# KiCad board Combined.kicad_pcb
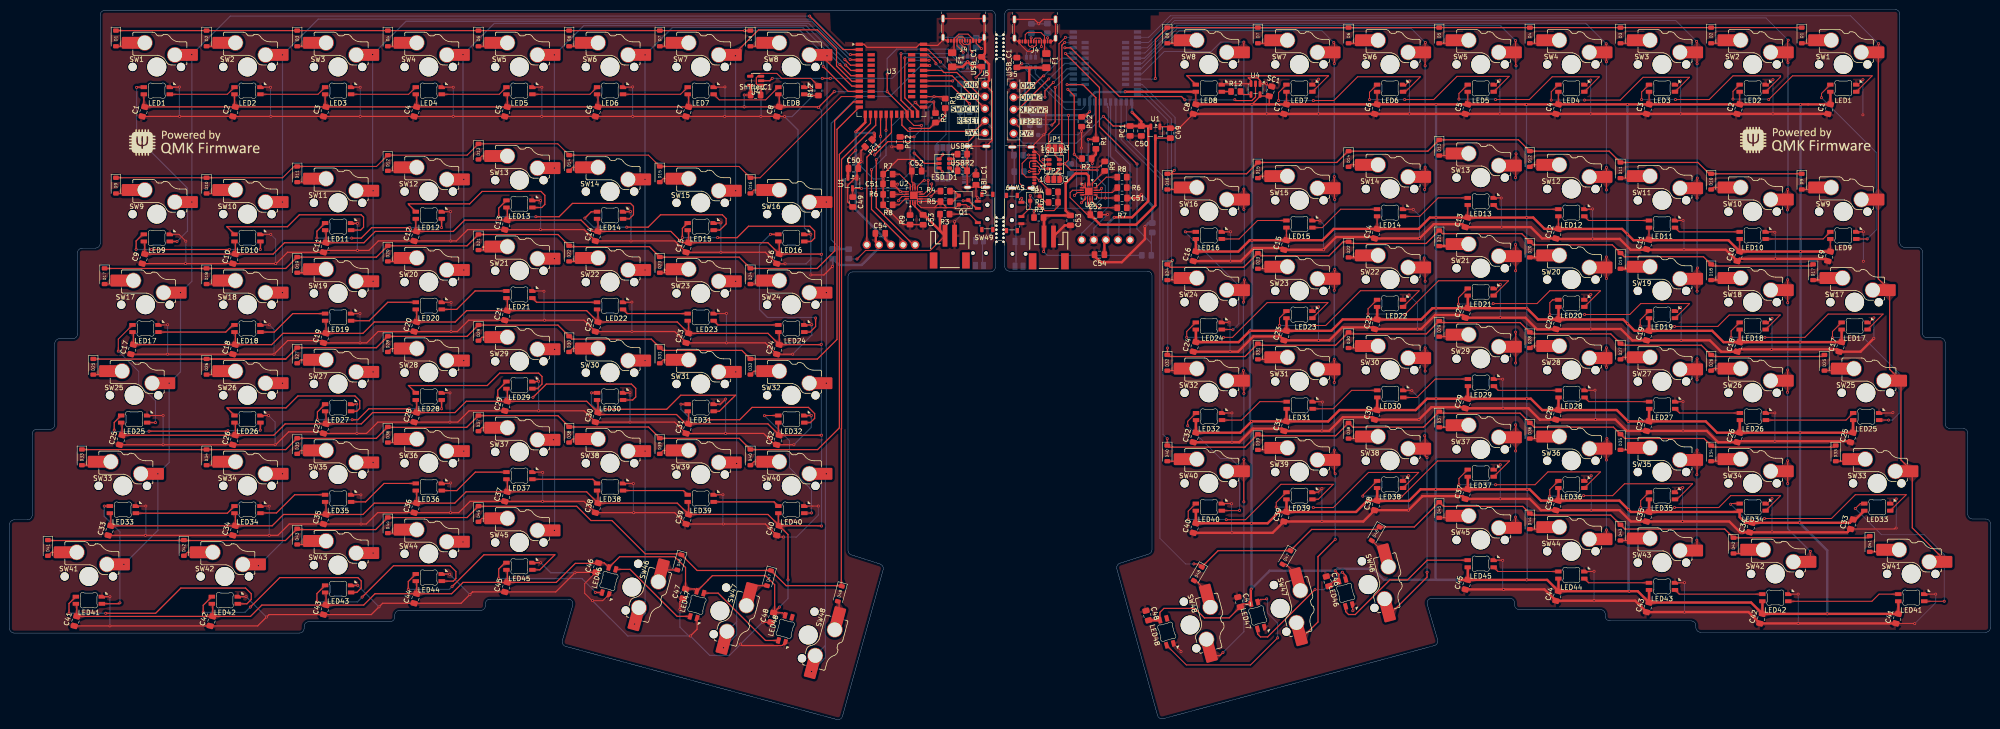
[diagram p0: board, top side]
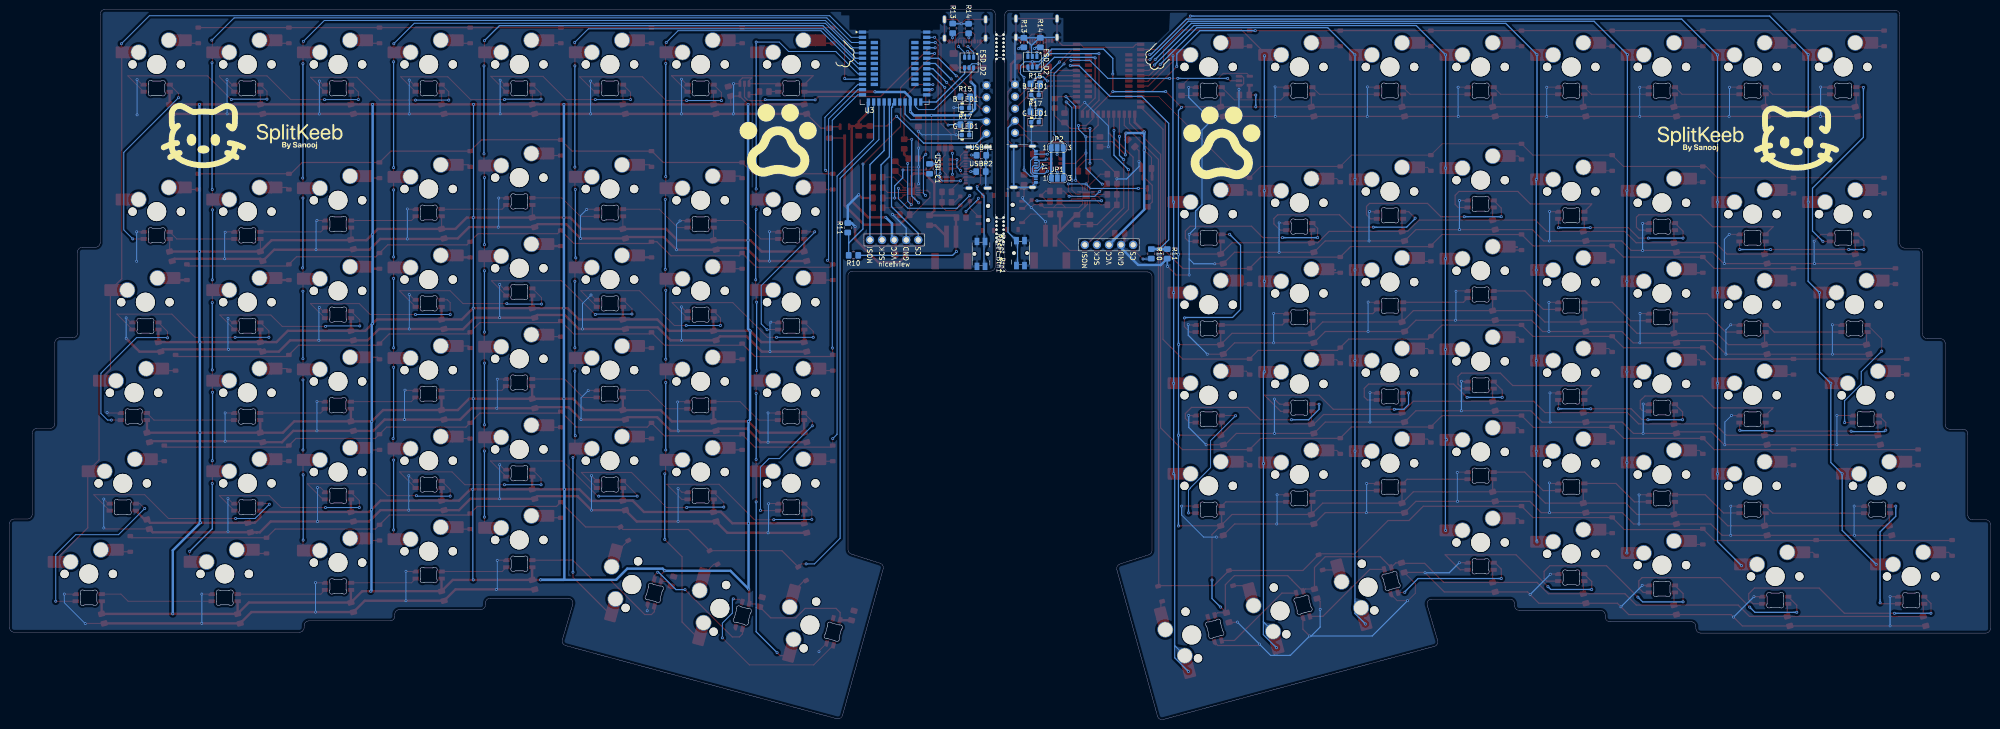
[diagram p1: board, bottom side, seen from below]

Outline 416.32 x 149.32 mm; copper layers: Top, Bottom. Coordinates in mm from the lower left corner of the outline.
Outline path: 207.15,106.27 207.16,138.23 ; 207.15,99.77 207.17,95.13 arc(206.88,94.42) 206.17,94.13 177.21,94.13 arc(176.51,93.84) 176.21,93.13 176.21,35.58 arc(176.4,34.99) 176.91,34.63 182.94,32.7 arc(183.51,32.23) 183.6,31.49 175.06,0.7 arc(174.59,0.1) 173.84,0 116.89,15.37 arc(116.28,15.83) 116.18,16.59 118.37,24.04 arc(118.21,24.92) 117.41,25.32 101.01,25.32 arc(100.31,25.03) 100.01,24.32 100.01,23.94 arc(99.72,23.24) 99.02,22.94 81.97,22.94 arc(81.26,22.65) 80.96,21.94 80.96,21.56 arc(80.67,20.85) 79.96,20.56 62.91,20.56 arc(62.21,20.27) 61.91,19.56 61.91,19.18 arc(61.62,18.48) 60.92,18.18 1,18.18 arc(0.3,18.47) 0,19.17 0,40.99 arc(0.29,41.69) 0.99,41.99 3.75,41.99 arc(4.47,42.28) 4.76,42.99 4.76,60.04 arc(5.06,60.75) 5.76,61.04 8.53,61.04 arc(9.23,61.33) 9.53,62.04 9.53,79.09 arc(9.82,79.8) 10.53,80.09 13.29,80.09 arc(13.99,80.38) 14.29,81.09 14.29,98.14 arc(14.58,98.84) 15.28,99.14 18.04,99.14 arc(18.75,99.43) 19.05,100.14 19.05,148.15 arc(19.34,148.85) 20.05,149.15 206.17,149.15 arc(206.87,148.86) 207.17,148.16 207.16,144.73 ; 209.15,144.73 209.15,148.33 arc(209.45,149.03) 210.16,149.32 396.27,149.32 arc(396.98,149.03) 397.27,148.32 397.27,100.32 arc(397.57,99.6) 398.28,99.32 401.05,99.32 arc(401.75,99.02) 402.04,98.31 402.04,81.27 arc(402.33,80.56) 403.04,80.27 405.8,80.27 arc(406.51,79.97) 406.8,79.27 406.8,62.22 arc(407.09,61.51) 407.8,61.22 410.56,61.22 arc(411.27,60.92) 411.56,60.22 411.56,43.17 arc(411.86,42.45) 412.57,42.17 415.33,42.17 arc(416.03,41.87) 416.32,41.16 416.32,19.34 arc(416.03,18.64) 415.32,18.35 355.4,18.35 arc(354.7,18.65) 354.41,19.35 354.41,19.73 arc(354.12,20.44) 353.41,20.73 336.36,20.73 arc(335.65,21.03) 335.36,21.73 335.36,22.12 arc(335.06,22.83) 334.35,23.12 317.3,23.12 arc(316.6,23.41) 316.31,24.12 316.31,24.5 arc(316.02,25.2) 315.31,25.5 298.91,25.5 arc(298.11,25.1) 297.95,24.21 300.14,16.76 arc(300.04,16.01) 299.44,15.55 242.49,0.17 arc(241.73,0.27) 241.26,0.87 232.72,31.66 arc(232.81,32.4) 233.38,32.88 239.41,34.8 arc(239.92,35.16) 240.11,35.76 240.11,93.3 arc(239.82,94.01) 239.11,94.3 210.15,94.3 arc(209.45,94.6) 209.15,95.3 209.15,99.77 ; 209.16,138.23 209.15,106.27

## Placement (name value [footprint] x y rotation side)
B_LED1  LED_0603_Blue  [LED_0603_1608Metric]  200.81 131.34 180 bottom
B_LED1#2  LED_0603_Blue  [LED_0603_1608Metric]  215.41 128.62 180 bottom
C1  0.1uF  [C_0805_2012Metric_Pad1.18x1.45mm_HandSolder]  382.41 128.37 75 top
C1#2  0.1uF  [C_0805_2012Metric_Pad1.18x1.45mm_HandSolder]  28.16 127.84 75 top
C2  0.1uF  [C_0805_2012Metric_Pad1.18x1.45mm_HandSolder]  363.36 128.37 75 top
C2#2  0.1uF  [C_0805_2012Metric_Pad1.18x1.45mm_HandSolder]  47.21 127.84 75 top
C3  0.1uF  [C_0805_2012Metric_Pad1.18x1.45mm_HandSolder]  66.26 127.84 75 top
C3#2  0.1uF  [C_0805_2012Metric_Pad1.18x1.45mm_HandSolder]  344.31 128.37 75 top
C4  0.1uF  [C_0805_2012Metric_Pad1.18x1.45mm_HandSolder]  85.31 127.84 75 top
C4#2  0.1uF  [C_0805_2012Metric_Pad1.18x1.45mm_HandSolder]  325.26 128.37 75 top
C5  0.1uF  [C_0805_2012Metric_Pad1.18x1.45mm_HandSolder]  306.21 128.37 75 top
C5#2  0.1uF  [C_0805_2012Metric_Pad1.18x1.45mm_HandSolder]  104.36 127.84 75 top
C6  0.1uF  [C_0805_2012Metric_Pad1.18x1.45mm_HandSolder]  123.41 127.84 75 top
C6#2  0.1uF  [C_0805_2012Metric_Pad1.18x1.45mm_HandSolder]  287.16 128.37 75 top
C7  0.1uF  [C_0805_2012Metric_Pad1.18x1.45mm_HandSolder]  142.46 127.84 75 top
C7#2  0.1uF  [C_0805_2012Metric_Pad1.18x1.45mm_HandSolder]  268.11 128.37 75 top
C8  0.1uF  [C_0805_2012Metric_Pad1.18x1.45mm_HandSolder]  161.51 127.84 75 top
C8#2  0.1uF  [C_0805_2012Metric_Pad1.18x1.45mm_HandSolder]  249.06 128.37 75 top
C9  0.1uF  [C_0805_2012Metric_Pad1.18x1.45mm_HandSolder]  382.41 97.41 75 top
C9#2  0.1uF  [C_0805_2012Metric_Pad1.18x1.45mm_HandSolder]  28.16 96.88 75 top
C10  0.1uF  [C_0805_2012Metric_Pad1.18x1.45mm_HandSolder]  47.21 96.88 75 top
C10#2  0.1uF  [C_0805_2012Metric_Pad1.18x1.45mm_HandSolder]  363.36 97.41 75 top
C11  0.1uF  [C_0805_2012Metric_Pad1.18x1.45mm_HandSolder]  66.26 99.27 75 top
C11#2  0.1uF  [C_0805_2012Metric_Pad1.18x1.45mm_HandSolder]  344.31 99.92 75 top
C12  0.1uF  [C_0805_2012Metric_Pad1.18x1.45mm_HandSolder]  85.31 101.65 75 top
C12#2  0.1uF  [C_0805_2012Metric_Pad1.18x1.45mm_HandSolder]  325.26 102.18 75 top
C13  0.1uF  [C_0805_2012Metric_Pad1.18x1.45mm_HandSolder]  104.36 104.03 75 top
C13#2  0.1uF  [C_0805_2012Metric_Pad1.18x1.45mm_HandSolder]  306.21 104.56 75 top
C14  0.1uF  [C_0805_2012Metric_Pad1.18x1.45mm_HandSolder]  287.16 102.18 75 top
C14#2  0.1uF  [C_0805_2012Metric_Pad1.18x1.45mm_HandSolder]  123.41 101.65 75 top
C15  0.1uF  [C_0805_2012Metric_Pad1.18x1.45mm_HandSolder]  268.11 99.8 75 top
C15#2  0.1uF  [C_0805_2012Metric_Pad1.18x1.45mm_HandSolder]  142.46 99.27 75 top
C16  0.1uF  [C_0805_2012Metric_Pad1.18x1.45mm_HandSolder]  161.51 96.88 75 top
C16#2  0.1uF  [C_0805_2012Metric_Pad1.18x1.45mm_HandSolder]  249.06 97.41 75 top
C17  0.1uF  [C_0805_2012Metric_Pad1.18x1.45mm_HandSolder]  25.78 77.83 75 top
C17#2  0.1uF  [C_0805_2012Metric_Pad1.18x1.45mm_HandSolder]  384.79 78.36 75 top
C18  0.1uF  [C_0805_2012Metric_Pad1.18x1.45mm_HandSolder]  47.21 77.83 75 top
C18#2  0.1uF  [C_0805_2012Metric_Pad1.18x1.45mm_HandSolder]  363.36 78.36 75 top
C19  0.1uF  [C_0805_2012Metric_Pad1.18x1.45mm_HandSolder]  344.31 80.75 75 top
C19#2  0.1uF  [C_0805_2012Metric_Pad1.18x1.45mm_HandSolder]  66.26 80.22 75 top
C20  0.1uF  [C_0805_2012Metric_Pad1.18x1.45mm_HandSolder]  85.31 82.6 75 top
C20#2  0.1uF  [C_0805_2012Metric_Pad1.18x1.45mm_HandSolder]  325.26 83.13 75 top
C21  0.1uF  [C_0805_2012Metric_Pad1.18x1.45mm_HandSolder]  306.21 85.51 75 top
C21#2  0.1uF  [C_0805_2012Metric_Pad1.18x1.45mm_HandSolder]  104.36 84.98 75 top
C22  0.1uF  [C_0805_2012Metric_Pad1.18x1.45mm_HandSolder]  287.16 83.13 75 top
C22#2  0.1uF  [C_0805_2012Metric_Pad1.18x1.45mm_HandSolder]  123.41 82.6 75 top
C23  0.1uF  [C_0805_2012Metric_Pad1.18x1.45mm_HandSolder]  142.46 80.22 75 top
C23#2  0.1uF  [C_0805_2012Metric_Pad1.18x1.45mm_HandSolder]  268.11 80.75 75 top
C24  0.1uF  [C_0805_2012Metric_Pad1.18x1.45mm_HandSolder]  249.06 78.36 75 top
C24#2  0.1uF  [C_0805_2012Metric_Pad1.18x1.45mm_HandSolder]  161.51 77.83 75 top
C25  0.1uF  [C_0805_2012Metric_Pad1.18x1.45mm_HandSolder]  387.17 59.31 75 top
C25#2  0.1uF  [C_0805_2012Metric_Pad1.18x1.45mm_HandSolder]  23.39 58.78 75 top
C26  0.1uF  [C_0805_2012Metric_Pad1.18x1.45mm_HandSolder]  363.36 59.31 75 top
C26#2  0.1uF  [C_0805_2012Metric_Pad1.18x1.45mm_HandSolder]  47.21 58.78 75 top
C27  0.1uF  [C_0805_2012Metric_Pad1.18x1.45mm_HandSolder]  66.26 61.17 75 top
C27#2  0.1uF  [C_0805_2012Metric_Pad1.18x1.45mm_HandSolder]  344.31 61.7 75 top
C28  0.1uF  [C_0805_2012Metric_Pad1.18x1.45mm_HandSolder]  85.31 63.55 75 top
C28#2  0.1uF  [C_0805_2012Metric_Pad1.18x1.45mm_HandSolder]  325.26 64.08 75 top
C29  0.1uF  [C_0805_2012Metric_Pad1.18x1.45mm_HandSolder]  306.21 66.46 75 top
C29#2  0.1uF  [C_0805_2012Metric_Pad1.18x1.45mm_HandSolder]  104.36 65.93 75 top
C30  0.1uF  [C_0805_2012Metric_Pad1.18x1.45mm_HandSolder]  287.16 64.08 75 top
C30#2  0.1uF  [C_0805_2012Metric_Pad1.18x1.45mm_HandSolder]  123.41 63.55 75 top
C31  0.1uF  [C_0805_2012Metric_Pad1.18x1.45mm_HandSolder]  268.11 61.7 75 top
C31#2  0.1uF  [C_0805_2012Metric_Pad1.18x1.45mm_HandSolder]  142.46 61.17 75 top
C32  0.1uF  [C_0805_2012Metric_Pad1.18x1.45mm_HandSolder]  161.51 58.78 75 top
C32#2  0.1uF  [C_0805_2012Metric_Pad1.18x1.45mm_HandSolder]  249.06 59.31 75 top
C33  0.1uF  [C_0805_2012Metric_Pad1.18x1.45mm_HandSolder]  387.21 41.07 75 top
C33#2  0.1uF  [C_0805_2012Metric_Pad1.18x1.45mm_HandSolder]  21.01 39.73 75 top
C34  0.1uF  [C_0805_2012Metric_Pad1.18x1.45mm_HandSolder]  365.96 40.37 75 top
C34#2  0.1uF  [C_0805_2012Metric_Pad1.18x1.45mm_HandSolder]  47.21 39.73 75 top
C35  0.1uF  [C_0805_2012Metric_Pad1.18x1.45mm_HandSolder]  344.31 42.65 75 top
C35#2  0.1uF  [C_0805_2012Metric_Pad1.18x1.45mm_HandSolder]  66.26 42.12 75 top
C36  0.1uF  [C_0805_2012Metric_Pad1.18x1.45mm_HandSolder]  325.26 45.03 75 top
C36#2  0.1uF  [C_0805_2012Metric_Pad1.18x1.45mm_HandSolder]  85.31 44.5 75 top
C37  0.1uF  [C_0805_2012Metric_Pad1.18x1.45mm_HandSolder]  104.36 46.88 75 top
C37#2  0.1uF  [C_0805_2012Metric_Pad1.18x1.45mm_HandSolder]  306.21 47.41 75 top
C38  0.1uF  [C_0805_2012Metric_Pad1.18x1.45mm_HandSolder]  287.16 45.03 75 top
C38#2  0.1uF  [C_0805_2012Metric_Pad1.18x1.45mm_HandSolder]  123.41 44.5 75 top
C39  0.1uF  [C_0805_2012Metric_Pad1.18x1.45mm_HandSolder]  142.46 42.12 75 top
C39#2  0.1uF  [C_0805_2012Metric_Pad1.18x1.45mm_HandSolder]  268.11 42.65 75 top
C40  0.1uF  [C_0805_2012Metric_Pad1.18x1.45mm_HandSolder]  161.51 39.73 75 top
C40#2  0.1uF  [C_0805_2012Metric_Pad1.18x1.45mm_HandSolder]  249.06 40.26 75 top
C41  0.1uF  [C_0805_2012Metric_Pad1.18x1.45mm_HandSolder]  396.7 21.21 75 top
C41#2  0.1uF  [C_0805_2012Metric_Pad1.18x1.45mm_HandSolder]  13.87 20.68 75 top
C42  0.1uF  [C_0805_2012Metric_Pad1.18x1.45mm_HandSolder]  42.44 20.68 75 top
C42#2  0.1uF  [C_0805_2012Metric_Pad1.18x1.45mm_HandSolder]  368.12 21.21 75 top
C43  0.1uF  [C_0805_2012Metric_Pad1.18x1.45mm_HandSolder]  66.26 23.07 75 top
C43#2  0.1uF  [C_0805_2012Metric_Pad1.18x1.45mm_HandSolder]  344.31 23.6 75 top
C44  0.1uF  [C_0805_2012Metric_Pad1.18x1.45mm_HandSolder]  85.31 25.45 75 top
C44#2  0.1uF  [C_0805_2012Metric_Pad1.18x1.45mm_HandSolder]  325.26 25.98 75 top
C45  0.1uF  [C_0805_2012Metric_Pad1.18x1.45mm_HandSolder]  306.21 28.36 75 top
C45#2  0.1uF  [C_0805_2012Metric_Pad1.18x1.45mm_HandSolder]  104.36 27.83 75 top
C46  0.1uF  [C_0805_2012Metric_Pad1.18x1.45mm_HandSolder]  277.01 29.07 285 top
C46#2  0.1uF  [C_0805_2012Metric_Pad1.18x1.45mm_HandSolder]  123.51 31.94 75 top
C47  0.1uF  [C_0805_2012Metric_Pad1.18x1.45mm_HandSolder]  258.41 24.72 285 top
C47#2  0.1uF  [C_0805_2012Metric_Pad1.18x1.45mm_HandSolder]  141.81 26.44 75 top
C48  0.1uF  [C_0805_2012Metric_Pad1.18x1.45mm_HandSolder]  160.31 21.44 75 top
C48#2  0.1uF  [C_0805_2012Metric_Pad1.18x1.45mm_HandSolder]  239.11 21.87 285 top
C49  1u  [C_0805_2012Metric_Pad1.18x1.45mm_HandSolder]  243.96 123.32 90 top
C49#2  1u  [C_0805_2012Metric_Pad1.18x1.45mm_HandSolder]  177.21 108.84 270 top
C50  1u  [C_0805_2012Metric_Pad1.18x1.45mm_HandSolder]  177.36 115.89 0 top
C50#2  1u  [C_0805_2012Metric_Pad1.18x1.45mm_HandSolder]  237.86 123.77 270 top
C51  4.7uF  [C_0805_2012Metric_Pad1.18x1.45mm_HandSolder]  184.61 112.64 180 top
C51#2  4.7uF  [C_0805_2012Metric_Pad1.18x1.45mm_HandSolder]  233.81 109.67 0 top
C52  4.7uF  [C_0805_2012Metric_Pad1.18x1.45mm_HandSolder]  228.16 106.17 0 top
C52#2  4.7uF  [C_0805_2012Metric_Pad1.18x1.45mm_HandSolder]  190.66 115.34 0 top
C53  4.7uF  [C_0805_2012Metric_Pad1.18x1.45mm_HandSolder]  192.01 105.09 270 top
C53#2  4.7uF  [C_0805_2012Metric_Pad1.18x1.45mm_HandSolder]  222.96 104.97 270 top
C54  0.1u  [C_0805_2012Metric_Pad1.18x1.45mm_HandSolder]  183.01 102.24 180 top
C54#2  0.1u  [C_0805_2012Metric_Pad1.18x1.45mm_HandSolder]  229.06 97.77 180 top
D1  D  [D_SOD-123]  22.36 143.24 270 top
D1#2  D  [D_SOD-123]  376.66 143.87 270 top
D2  D  [D_SOD-123]  41.41 143.24 270 top
D2#2  D  [D_SOD-123]  357.61 143.87 270 top
D3  D  [D_SOD-123]  60.46 143.24 270 top
D3#2  D  [D_SOD-123]  338.56 143.87 270 top
D4  D  [D_SOD-123]  79.51 143.24 270 top
D4#2  D  [D_SOD-123]  319.51 143.87 270 top
D5  D  [D_SOD-123]  98.56 143.24 270 top
D5#2  D  [D_SOD-123]  300.46 143.87 270 top
D6  D  [D_SOD-123]  281.41 143.87 270 top
D6#2  D  [D_SOD-123]  117.61 143.24 270 top
D7  D  [D_SOD-123]  262.36 143.87 270 top
D7#2  D  [D_SOD-123]  136.66 143.24 270 top
D8  D  [D_SOD-123]  155.71 143.24 270 top
D8#2  D  [D_SOD-123]  243.31 143.87 270 top
D9  D  [D_SOD-123]  376.66 113.12 270 top
D9#2  D  [D_SOD-123]  22.36 112.28 270 top
D10  D  [D_SOD-123]  357.61 113.12 270 top
D10#2  D  [D_SOD-123]  41.41 112.28 270 top
D11  D  [D_SOD-123]  338.56 115.5 270 top
D11#2  D  [D_SOD-123]  60.46 114.67 270 top
D12  D  [D_SOD-123]  319.51 117.88 270 top
D12#2  D  [D_SOD-123]  79.51 117.05 270 top
D13  D  [D_SOD-123]  98.56 119.43 270 top
D13#2  D  [D_SOD-123]  300.46 120.26 270 top
D14  D  [D_SOD-123]  281.41 117.88 270 top
D14#2  D  [D_SOD-123]  117.61 117.05 270 top
D15  D  [D_SOD-123]  136.66 114.67 270 top
D15#2  D  [D_SOD-123]  262.36 115.5 270 top
D16  D  [D_SOD-123]  155.71 112.28 270 top
D16#2  D  [D_SOD-123]  243.31 113.12 270 top
D17  D  [D_SOD-123]  19.97 93.23 270 top
D17#2  D  [D_SOD-123]  379.04 94.07 270 top
D18  D  [D_SOD-123]  41.41 93.23 270 top
D18#2  D  [D_SOD-123]  357.61 94.07 270 top
D19  D  [D_SOD-123]  60.46 95.62 270 top
D19#2  D  [D_SOD-123]  338.56 96.45 270 top
D20  D  [D_SOD-123]  319.51 98.83 270 top
D20#2  D  [D_SOD-123]  79.51 98 270 top
D21  D  [D_SOD-123]  98.56 100.38 270 top
D21#2  D  [D_SOD-123]  300.46 101.21 270 top
D22  D  [D_SOD-123]  117.61 98 270 top
D22#2  D  [D_SOD-123]  281.41 98.83 270 top
D23  D  [D_SOD-123]  136.66 95.62 270 top
D23#2  D  [D_SOD-123]  262.36 96.45 270 top
D24  D  [D_SOD-123]  155.71 93.23 270 top
D24#2  D  [D_SOD-123]  243.31 94.07 270 top
D25  D  [D_SOD-123]  381.42 75.02 270 top
D25#2  D  [D_SOD-123]  17.59 74.18 270 top
D26  D  [D_SOD-123]  41.41 74.18 270 top
D26#2  D  [D_SOD-123]  357.61 75.02 270 top
D27  D  [D_SOD-123]  60.46 76.57 270 top
D27#2  D  [D_SOD-123]  338.56 77.4 270 top
D28  D  [D_SOD-123]  319.51 79.78 270 top
D28#2  D  [D_SOD-123]  79.51 78.95 270 top
D29  D  [D_SOD-123]  300.46 82.16 270 top
D29#2  D  [D_SOD-123]  98.56 81.33 270 top
D30  D  [D_SOD-123]  281.41 79.78 270 top
D30#2  D  [D_SOD-123]  117.61 78.95 270 top
D31  D  [D_SOD-123]  136.66 76.57 270 top
D31#2  D  [D_SOD-123]  262.36 77.4 270 top
D32  D  [D_SOD-123]  155.71 74.18 270 top
D32#2  D  [D_SOD-123]  243.31 75.02 270 top
D33  D  [D_SOD-123]  383.8 55.97 270 top
D33#2  D  [D_SOD-123]  15.21 55.13 270 top
D34  D  [D_SOD-123]  357.61 55.97 270 top
D34#2  D  [D_SOD-123]  41.41 55.13 270 top
D35  D  [D_SOD-123]  338.56 58.35 270 top
D35#2  D  [D_SOD-123]  60.46 57.52 270 top
D36  D  [D_SOD-123]  79.51 59.9 270 top
D36#2  D  [D_SOD-123]  319.51 60.73 270 top
D37  D  [D_SOD-123]  300.46 63.11 270 top
D37#2  D  [D_SOD-123]  98.56 62.28 270 top
D38  D  [D_SOD-123]  281.41 60.73 270 top
D38#2  D  [D_SOD-123]  117.61 59.9 270 top
D39  D  [D_SOD-123]  136.66 57.52 270 top
D39#2  D  [D_SOD-123]  262.36 58.35 270 top
D40  D  [D_SOD-123]  155.71 55.13 270 top
D40#2  D  [D_SOD-123]  243.31 55.97 270 top
D41  D  [D_SOD-123]  8.07 36.08 270 top
D41#2  D  [D_SOD-123]  390.95 36.92 270 top
D42  D  [D_SOD-123]  36.64 36.08 270 top
D42#2  D  [D_SOD-123]  362.31 36.57 270 top
D43  D  [D_SOD-123]  60.46 38.47 270 top
D43#2  D  [D_SOD-123]  338.56 39.3 270 top
D44  D  [D_SOD-123]  79.51 40.85 270 top
D44#2  D  [D_SOD-123]  319.51 41.68 270 top
D45  D  [D_SOD-123]  300.46 44.06 270 top
D45#2  D  [D_SOD-123]  98.56 43.23 270 top
D46  D  [D_SOD-123]  287.11 39.07 240 top
D46#2  D  [D_SOD-123]  140.78 33.05 255 top
D47  D  [D_SOD-123]  159.61 29.74 255 top
D47#2  D  [D_SOD-123]  268.36 34.07 240 top
D48  D  [D_SOD-123]  174.51 26.44 255 top
D48#2  D  [D_SOD-123]  249.74 30.64 240 top
ESD_D1  USBLC6-2SC6  [SOT-23-6]  219.56 116.79 0 top
ESD_D1#2  USBLC6-2SC6  [SOT-23-6]  196.46 116.95 180 top
ESD_D2  USBLC6-2SC6  [SOT-23-6#2]  214.66 138.17 270 bottom
ESD_D2#2  USBLC6-2SC6  [SOT-23-6#2]  201.36 138.34 270 bottom
F1  750mA  [Fuse_1206_3216Metric_Pad1.42x1.75mm_HandSolder]  217.91 138.57 270 top
F1#2  750mA  [Fuse_1206_3216Metric_Pad1.42x1.75mm_HandSolder]  198.11 138.74 270 top
G***  -  [LOGO]  377.45 121.9 0 top
G***#2  -  [LOGO]  38.89 121.37 0 top
G***#3  -  [LOGO]  375.59 123.22 180 bottom
G***#4  -  [LOGO]  355.39 123.12 180 bottom
G***#5  -  [LOGO]  60.96 122.59 180 bottom
G***#6  -  [LOGO]  161.56 121.44 180 bottom
G***#7  -  [LOGO]  40.76 122.69 180 bottom
G***#8  -  [LOGO]  254.79 121.97 180 bottom
G_LED1  LED_0603_Green  [LED_0603_1608Metric]  200.81 125.64 180 bottom
G_LED1#2  LED_0603_Green  [LED_0603_1608Metric]  215.41 122.92 180 bottom
J1  USB_C_Receptacle_USB2.0_16P  [USB_C_Receptacle_HRO_TYPE-C-31-M-23]  212.96 116.09 270 top
J1#2  USB_C_Receptacle_USB2.0_16P  [USB_C_Receptacle_HRO_TYPE-C-31-M-23]  203.06 116.25 270 bottom
J3  JST_2mm_LiPo  [JST_1x02_P2.0mm_Horizontal_SMD]  218.41 97.87 180 top
J3#2  JST_2mm_LiPo  [JST_1x02_P2.0mm_Horizontal_SMD]  197.61 98.04 180 top
J4  USB_C_Receptacle_USB2.0_16P  [USB_C_Receptacle_HRO_TYPE-C-31-M-23]  200.5 145.19 180 top
J4#2  USB_C_Receptacle_USB2.0_16P  [USB_C_Receptacle_HRO_TYPE-C-31-M-23]  215.51 145.02 180 top
J5  DEV_HEADERS  [PinHeader_01x05_P2.54mm_Vertical_THT_D1mm]  205.01 133.55 0 top
J5#2  DEV_HEADERS  [PinHeader_01x05_P2.54mm_Vertical_THT_D1mm]  211.01 133.38 0 top
JP1  SolderJumper  [SolderJumper-3_P1.3mm_Open_RoundedPad1.0x1.5mm_NumberLabels]  219.71 120.22 0 top
JP1#2  SolderJumper  [SolderJumper-3_P1.3mm_Open_RoundedPad1.0x1.5mm_NumberLabels]  196.11 113.85 180 bottom
JP2  SolderJumper  [SolderJumper-3_P1.3mm_Open_RoundedPad1.0x1.5mm_NumberLabels]  219.46 113.57 0 top
JP2#2  SolderJumper  [SolderJumper-3_P1.3mm_Open_RoundedPad1.0x1.5mm_NumberLabels]  196.16 120.25 180 bottom
LED1  MX_SK6812MINI-E  [LED_MX_6028R-ROT]  30.96 132.24 0 top
LED1#2  MX_SK6812MINI-E  [LED_MX_6028R-ROT]  385.39 132.77 0 top
LED2  MX_SK6812MINI-E  [LED_MX_6028R-ROT]  366.34 132.77 0 top
LED2#2  MX_SK6812MINI-E  [LED_MX_6028R-ROT]  50.01 132.24 0 top
LED3  MX_SK6812MINI-E  [LED_MX_6028R-ROT]  69.06 132.24 0 top
LED3#2  MX_SK6812MINI-E  [LED_MX_6028R-ROT]  347.29 132.77 0 top
LED4  MX_SK6812MINI-E  [LED_MX_6028R-ROT]  88.11 132.24 0 top
LED4#2  MX_SK6812MINI-E  [LED_MX_6028R-ROT]  328.24 132.77 0 top
LED5  MX_SK6812MINI-E  [LED_MX_6028R-ROT]  309.19 132.77 0 top
LED5#2  MX_SK6812MINI-E  [LED_MX_6028R-ROT]  107.16 132.24 0 top
LED6  MX_SK6812MINI-E  [LED_MX_6028R-ROT]  126.21 132.24 0 top
LED6#2  MX_SK6812MINI-E  [LED_MX_6028R-ROT]  290.14 132.77 0 top
LED7  MX_SK6812MINI-E  [LED_MX_6028R-ROT]  145.26 132.24 0 top
LED7#2  MX_SK6812MINI-E  [LED_MX_6028R-ROT]  271.09 132.77 0 top
LED8  MX_SK6812MINI-E  [LED_MX_6028R-ROT]  164.31 132.24 0 top
LED8#2  MX_SK6812MINI-E  [LED_MX_6028R-ROT]  252.04 132.77 0 top
LED9  MX_SK6812MINI-E  [LED_MX_6028R-ROT]  30.96 101.28 0 top
LED9#2  MX_SK6812MINI-E  [LED_MX_6028R-ROT]  385.39 101.81 0 top
LED10  MX_SK6812MINI-E  [LED_MX_6028R-ROT]  50.01 101.28 0 top
LED10#2  MX_SK6812MINI-E  [LED_MX_6028R-ROT]  366.34 101.81 0 top
LED11  MX_SK6812MINI-E  [LED_MX_6028R-ROT]  69.06 103.67 0 top
LED11#2  MX_SK6812MINI-E  [LED_MX_6028R-ROT]  347.29 104.2 0 top
LED12  MX_SK6812MINI-E  [LED_MX_6028R-ROT]  88.11 106.05 0 top
LED12#2  MX_SK6812MINI-E  [LED_MX_6028R-ROT]  328.24 106.58 0 top
LED13  MX_SK6812MINI-E  [LED_MX_6028R-ROT]  107.16 108.43 0 top
LED13#2  MX_SK6812MINI-E  [LED_MX_6028R-ROT]  309.19 108.96 0 top
LED14  MX_SK6812MINI-E  [LED_MX_6028R-ROT]  126.21 106.05 0 top
LED14#2  MX_SK6812MINI-E  [LED_MX_6028R-ROT]  290.14 106.58 0 top
LED15  MX_SK6812MINI-E  [LED_MX_6028R-ROT]  145.26 103.67 0 top
LED15#2  MX_SK6812MINI-E  [LED_MX_6028R-ROT]  271.09 104.2 0 top
LED16  MX_SK6812MINI-E  [LED_MX_6028R-ROT]  252.04 101.81 0 top
LED16#2  MX_SK6812MINI-E  [LED_MX_6028R-ROT]  164.31 101.28 0 top
LED17  MX_SK6812MINI-E  [LED_MX_6028R-ROT]  28.58 82.23 0 top
LED17#2  MX_SK6812MINI-E  [LED_MX_6028R-ROT]  387.77 82.76 0 top
LED18  MX_SK6812MINI-E  [LED_MX_6028R-ROT]  50.01 82.23 0 top
LED18#2  MX_SK6812MINI-E  [LED_MX_6028R-ROT]  366.34 82.76 0 top
LED19  MX_SK6812MINI-E  [LED_MX_6028R-ROT]  69.06 84.62 0 top
LED19#2  MX_SK6812MINI-E  [LED_MX_6028R-ROT]  347.29 85.15 0 top
LED20  MX_SK6812MINI-E  [LED_MX_6028R-ROT]  88.11 87 0 top
LED20#2  MX_SK6812MINI-E  [LED_MX_6028R-ROT]  328.24 87.53 0 top
LED21  MX_SK6812MINI-E  [LED_MX_6028R-ROT]  309.19 89.91 0 top
LED21#2  MX_SK6812MINI-E  [LED_MX_6028R-ROT]  107.16 89.38 0 top
LED22  MX_SK6812MINI-E  [LED_MX_6028R-ROT]  290.14 87.53 0 top
LED22#2  MX_SK6812MINI-E  [LED_MX_6028R-ROT]  126.21 87 0 top
LED23  MX_SK6812MINI-E  [LED_MX_6028R-ROT]  271.09 85.15 0 top
LED23#2  MX_SK6812MINI-E  [LED_MX_6028R-ROT]  145.26 84.62 0 top
LED24  MX_SK6812MINI-E  [LED_MX_6028R-ROT]  252.04 82.76 0 top
LED24#2  MX_SK6812MINI-E  [LED_MX_6028R-ROT]  164.31 82.23 0 top
LED25  MX_SK6812MINI-E  [LED_MX_6028R-ROT]  26.19 63.18 0 top
LED25#2  MX_SK6812MINI-E  [LED_MX_6028R-ROT]  390.2 63.71 0 top
LED26  MX_SK6812MINI-E  [LED_MX_6028R-ROT]  366.39 63.71 0 top
LED26#2  MX_SK6812MINI-E  [LED_MX_6028R-ROT]  50.01 63.18 0 top
LED27  MX_SK6812MINI-E  [LED_MX_6028R-ROT]  347.34 66.1 0 top
LED27#2  MX_SK6812MINI-E  [LED_MX_6028R-ROT]  69.06 65.57 0 top
LED28  MX_SK6812MINI-E  [LED_MX_6028R-ROT]  88.11 67.95 0 top
LED28#2  MX_SK6812MINI-E  [LED_MX_6028R-ROT]  328.29 68.48 0 top
LED29  MX_SK6812MINI-E  [LED_MX_6028R-ROT]  107.16 70.33 0 top
LED29#2  MX_SK6812MINI-E  [LED_MX_6028R-ROT]  309.24 70.86 0 top
LED30  MX_SK6812MINI-E  [LED_MX_6028R-ROT]  290.19 68.48 0 top
LED30#2  MX_SK6812MINI-E  [LED_MX_6028R-ROT]  126.21 67.95 0 top
LED31  MX_SK6812MINI-E  [LED_MX_6028R-ROT]  145.26 65.57 0 top
LED31#2  MX_SK6812MINI-E  [LED_MX_6028R-ROT]  271.14 66.1 0 top
LED32  MX_SK6812MINI-E  [LED_MX_6028R-ROT]  252.09 63.71 0 top
LED32#2  MX_SK6812MINI-E  [LED_MX_6028R-ROT]  164.31 63.18 0 top
LED33  MX_SK6812MINI-E  [LED_MX_6028R-ROT]  392.53 44.66 0 top
LED33#2  MX_SK6812MINI-E  [LED_MX_6028R-ROT]  23.81 44.13 0 top
LED34  MX_SK6812MINI-E  [LED_MX_6028R-ROT]  366.34 44.66 0 top
LED34#2  MX_SK6812MINI-E  [LED_MX_6028R-ROT]  50.01 44.13 0 top
LED35  MX_SK6812MINI-E  [LED_MX_6028R-ROT]  347.29 47.05 0 top
LED35#2  MX_SK6812MINI-E  [LED_MX_6028R-ROT]  69.06 46.52 0 top
LED36  MX_SK6812MINI-E  [LED_MX_6028R-ROT]  88.11 48.9 0 top
LED36#2  MX_SK6812MINI-E  [LED_MX_6028R-ROT]  328.24 49.43 0 top
LED37  MX_SK6812MINI-E  [LED_MX_6028R-ROT]  107.16 51.28 0 top
LED37#2  MX_SK6812MINI-E  [LED_MX_6028R-ROT]  309.19 51.81 0 top
LED38  MX_SK6812MINI-E  [LED_MX_6028R-ROT]  290.14 49.43 0 top
LED38#2  MX_SK6812MINI-E  [LED_MX_6028R-ROT]  126.21 48.9 0 top
LED39  MX_SK6812MINI-E  [LED_MX_6028R-ROT]  145.26 46.52 0 top
LED39#2  MX_SK6812MINI-E  [LED_MX_6028R-ROT]  271.09 47.05 0 top
LED40  MX_SK6812MINI-E  [LED_MX_6028R-ROT]  164.31 44.13 0 top